# Altium PCB EPS.PcbDoc (part 7 of 10) (continued)
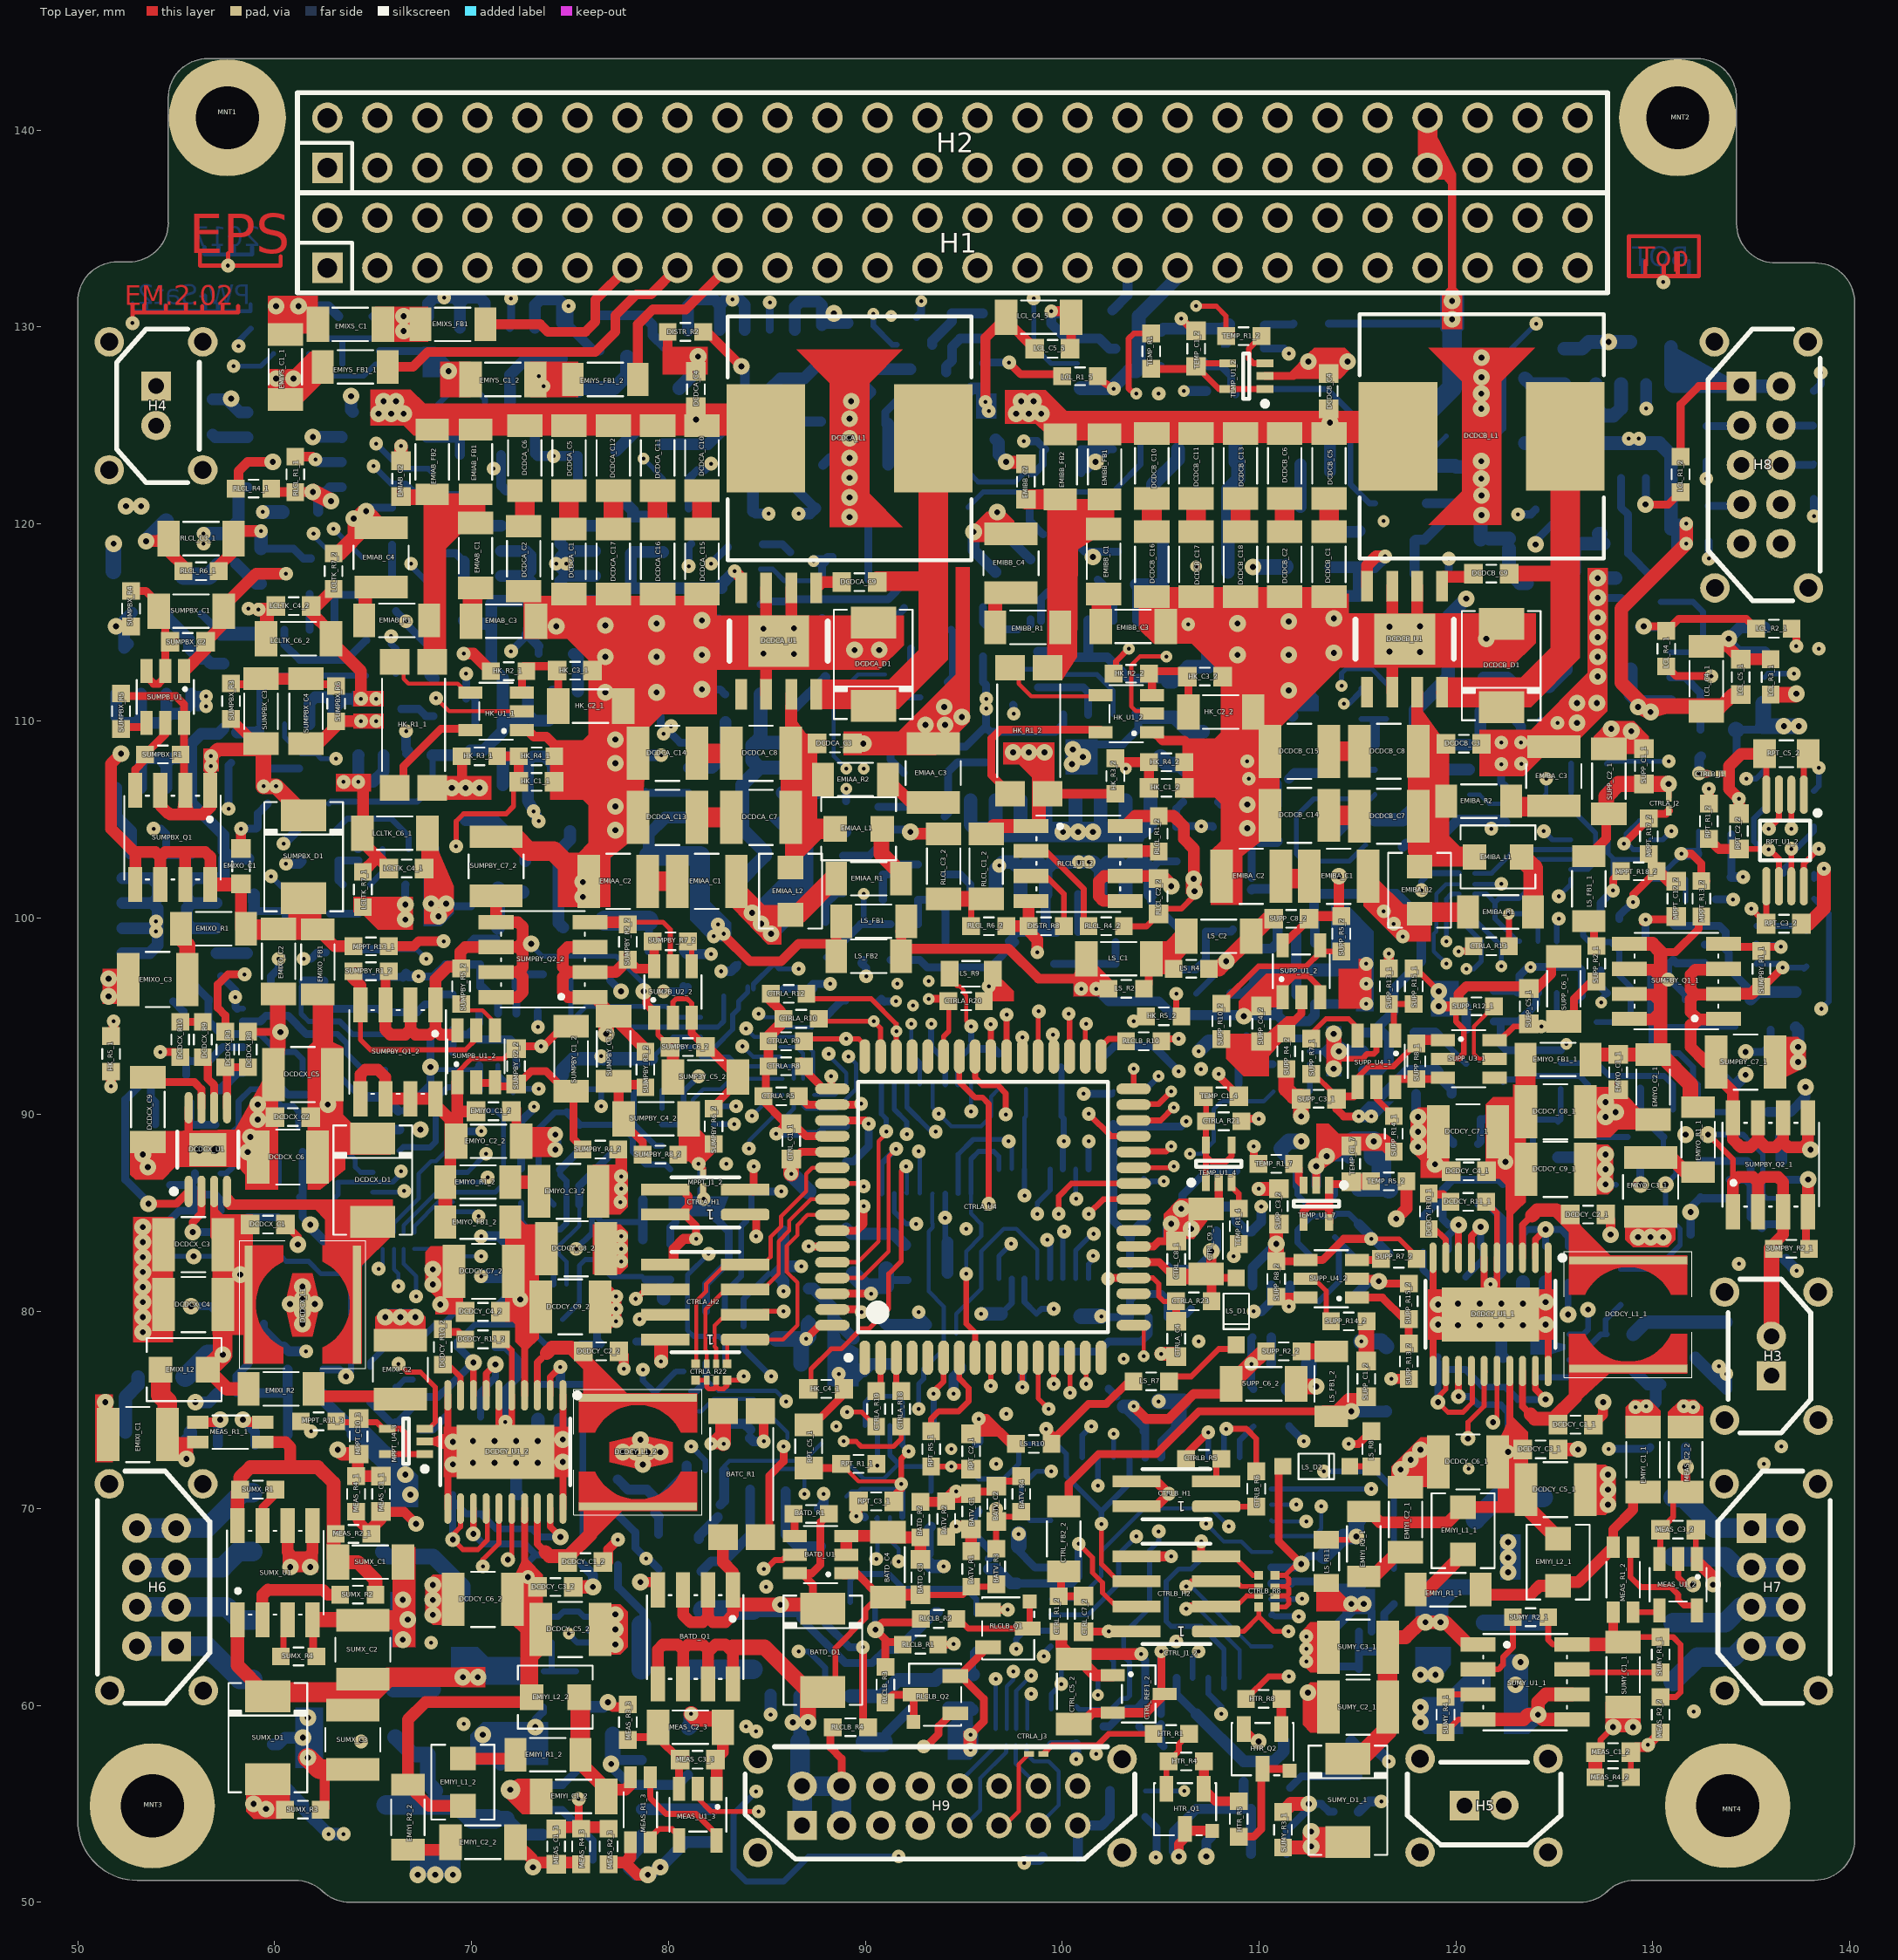
[diagram p0: Top Layer view]
## Nets (pads, with @x,y where several pads share a name; then routed paths per layer and width w, separated by ;. In a path a pad name is that pad's centre, name@x,y a point inside that pad or via, vN(x,y) a via of type N, cw(c..) or ccw(c..) an arc to the next point about the centre after c; other vN are vias at no path point) (continued)
  Top Layer w0.4: SUPP_C4_2.1@110.109,95.642 SUPP_U1_2.1@111.125,95.642
  Top Layer w0.5: LS_FB1.2@91.82,99.314 LS_FB2.2@91.82,98.044 92.201,98.425 97.282,98.425 98.806,96.901 101.219,96.901 LS_C1.1@101.473,97.155 ; LS_C1.1@101.474,97.917 101.474,97.535 102.351,96.658 LS_R2.1@102.351,96.393 LS_R2.1@102.351,96.266 ; v2(109.22,94.996) 109.739,95.515 110.07,95.629 SUPP_C4_2.1@110.109,95.642
  Top Layer w0.6: LS_FB1.2@91.82,99.314 LS_FB1.2@92.074,99.568
  Bottom Layer w0.5: v1(101.727,96.393) 102.362,95.758 104.902,95.758 105.603,95.057 110.937,95.057 ; SUPP_U1_1.3@110.937,96.099 110.937,95.057 ; SUPP_C4_1.1@114.046,95.62 112.837,95.62 112.837,95.057 112.522,94.742 111.252,94.742 110.937,95.057
  other v1: 100.965,96.393
NetLS_C1_2: LS_C1.2 LS_C2.1 LS_R2.2 LS_R4.1 | length 2.3
  Top Layer w0.4: LS_R2.2@104.394,96.636 LS_C1.2@104.394,97.536
  Top Layer w0.5: LS_R2.2@104.151,96.266 LS_R2.2@104.151,96.393 ; LS_C1.2@104.394,97.536 LS_C1.2@104.774,97.536
  Top Layer w0.8: LS_C1.2@104.774,97.536 LS_R4.1@105.653,97.536
NetLS_D1_K: LS_D1.K LS_R7.1 | length 4.2
  Top Layer w0.3: LS_R7.1@105.421,76.454 105.675,76.708 106.553,76.708 107.95,78.105 108.634,78.105 LS_D1.K@108.839,78.31
NetLS_D2_K: LS_D2.K LS_R8.2 | length 1.1
  Top Layer w0.3: LS_D2.K@114.603,72.136 115.686,72.136 LS_R8.2@115.697,72.125
NetLS_FB1_1_1: LS_FB1_1.1 SUPP_R2_1.2 | length 1.6
  Top Layer w0.4: LS_FB1_1.1@126.746,99.823 127,99.569 SUPP_R2_1.2@127,98.298
NetLS_FB1_2_1: LS_FB1_2.1 SUPP_R2_2.2 | length 1.3
  Top Layer w0.8: SUPP_R2_2.2@112.152,77.978 LS_FB1_2.1@113.411,77.977
NetMEAS_C2_1_1: MEAS_C2_1.1 MEAS_C3_1.1 MEAS_R3_1.2 MEAS_U1_1.3 | length 4.9
  Bottom Layer w0.5: MEAS_U1_1.3@59.012,75.861 MEAS_C3_1.1@60.577,75.861 ; MEAS_R3_1.2@60.657,77.051 60.657,75.941 MEAS_C3_1.1@60.577,75.861 ; MEAS_C2_1.1@60.669,73.749 60.669,75.769 MEAS_C3_1.1@60.657,75.781 MEAS_C3_1.1@60.577,75.861
NetMEAS_C2_2_1: MEAS_C2_2.1 MEAS_C3_2.1 MEAS_R3_2.2 MEAS_U1_2.3 | length 5.6
  Top Layer w0.3: MEAS_U1_2.3@130.33,67.693 130.38,67.743 MEAS_C3_2.1@130.38,68.923 130.38,69.177 130.645,69.177 131.026,69.558 MEAS_C2_2.1@131.026,70.574
  Top Layer w0.5: MEAS_C2_2.1@131.661,70.829 v2(131.661,72.098)
  Bottom Layer w0.5: v2(131.661,72.098) 131.661,73.103 MEAS_R3_2.2@131.672,73.114
NetMEAS_C2_3_1: MEAS_C2_3.1 MEAS_C3_3.1 MEAS_R3_3.2 MEAS_U1_3.3 | length 5.6
  Top Layer w0.4: MEAS_R3_3.2@77.94,58.117 78.205,58.382 79.21,58.382 MEAS_C2_3.1@79.465,58.637 ; MEAS_C2_3.1@79.465,59.144 MEAS_C2_3.1@79.465,58.89 MEAS_C2_3.1@79.465,58.637 ; MEAS_U1_3.3@80.546,55.755 80.546,57.2 MEAS_C3_3.1@80.585,57.239 79.465,58.359 MEAS_C2_3.1@79.465,58.637
NetMEAS_R1_1_1: MEAS_R1_1.1 MEAS_R2_1.1 SUMX_C1.1 SUMX_R1.1 SUMX_R2.1 SUMX_U1.8 | length 17.5
  Top Layer w0.6: MEAS_R1_1.1@59.397,73.376 59.405,73.368 60.541,73.368 60.795,73.114 60.795,72.098
  Top Layer w0.7: SUMX_U1.8@58.113,69.124 58.113,70.824 SUMX_R1.1@58.244,70.955 58.244,71.579 58.763,72.098 60.795,72.098 62.192,72.098 62.992,71.298 62.992,67.489 SUMX_C1.1@63.209,67.272 64.224,67.272 65.124,66.372 SUMX_R2.1@65.124,65.621
NetMEAS_R1_1_2: MEAS_R1_1.2 MEAS_U1_1.4 | length 2.6
  Top Layer w0.5: v2(58.382,74.511) 58.509,74.384 59.389,74.384 MEAS_R1_1.2@59.397,74.376
  Bottom Layer w0.5: v2(58.382,74.511) 59.012,73.881 MEAS_U1_1.4@59.012,73.241
NetMEAS_R1_1_3: MEAS_R1_1.3 MEAS_U1_1.5 | length 2.5
  Top Layer w0.5: MEAS_R1_1.3@56.097,74.376 57.104,74.376 v2(57.239,74.511)
  Bottom Layer w0.5: MEAS_U1_1.5@57.112,73.241 57.112,74.384 v2(57.239,74.511)
NetMEAS_R1_2_1: MEAS_R1_2.1 MEAS_R2_2.1 SUMY_C1_1.1 SUMY_R1_1.1 SUMY_R2_1.1 SUMY_U1_1.8 | length 13.3
  Top Layer w0.3: SUMY_R2_1.1@124.687,64.478 124.687,63.324 124.915,63.096 SUMY_U1_1.8@125.893,63.096 ; SUMY_C1_1.1@128.486,63.207 128.752,63.473 SUMY_R1_1.1@130.391,63.473 131.015,63.473 131.407,63.081 131.407,60.668 131.164,60.425 MEAS_R2_2.1@130.391,60.425
  Top Layer w0.5: SUMY_C1_1.1@127.986,63.462 MEAS_R1_2.1@127.986,64.733 MEAS_R1_2.1@127.986,64.987
  Top Layer w0.7: SUMY_U1_1.8@125.893,63.096 128.375,63.096 SUMY_C1_1.1@128.486,63.207
NetMEAS_R1_2_2: MEAS_R1_2.2 MEAS_U1_2.4 | length 1.5
  Top Layer w0.3: MEAS_R1_2.2@128.994,64.732 130.264,64.732 130.294,64.83 MEAS_U1_2.4@130.33,64.946
NetMEAS_R1_2_3: MEAS_R1_2.3 MEAS_U1_2.5 | length 5.9
  Top Layer w0.3: MEAS_R1_2.3@128.859,68.287 128.859,66.518 129.375,66.002 130.899,66.002 131.28,65.621 131.28,65.367 131.574,65.073 MEAS_U1_2.5@132.23,65.073
NetMEAS_R1_3_1: MEAS_R1_3.1 MEAS_R2_3.1 SUMY_C1_2.1 SUMY_R1_2.1 SUMY_R2_2.1 SUMY_U1_2.8 | length 10.2
  Top Layer w0.6: MEAS_R2_3.1@76.924,52.021 77.802,52.021 ; MEAS_R1_3.1@78.075,53.049 78.075,52.294 77.802,52.021 ; v2(78.956,51.397) 78.426,51.397 77.802,52.021
  Bottom Layer w0.6: SUMY_R2_2.1@77.951,51.778 78.332,51.397 v2(78.956,51.397) 79.083,51.397 79.464,51.778 v2(79.591,51.778) 80.862,53.049 SUMY_R1_2.1@82.296,53.049 ; SUMY_R2_2.1@77.951,52.159 78.649,52.857 SUMY_U1_2.8@78.649,53.414
NetMEAS_R1_3_2: MEAS_R1_3.2 MEAS_U1_3.4 | length 2.3
  Top Layer w0.3: MEAS_R1_3.2@79.075,53.049 79.075,53.294 79.502,53.721 80.188,53.721 80.546,53.363 MEAS_U1_3.4@80.546,53.135
NetMEAS_R1_3_3: MEAS_R1_3.3 MEAS_U1_3.5 | length 5.5
  Top Layer w0.3: MEAS_R1_3.3@79.075,56.349 79.075,55.291 79.883,54.483 81.407,54.483 82.446,53.444 MEAS_U1_3.5@82.446,53.135
NetMPPT_C1_1_1: MPPT_C1_1.1 MPPT_R1_1.1 MPPT_R2_1.2 MPPT_R3_1.2 MPPT_U1_1.6 | length 7.4
  Bottom Layer w0.254: MPPT_R1_1.1@61.543,96.71 61.341,96.509 61.341,95.123 61.73,94.734 MPPT_U1_1.6@62.432,94.734
  Bottom Layer w0.3: MPPT_U1_1.6@62.432,94.734 63.305,94.734 63.959,94.08 MPPT_R2_1.2@64.478,94.08 MPPT_C1_1.1@65.621,94.08
  Bottom Layer w0.5: MPPT_R1_1.1@61.479,96.774 MPPT_R3_1.2@62.473,96.774
NetMPPT_C1_1_2: MPPT_C1_1.2 MPPT_R2_1.1 MPPT_U1_1.3 MPPT_U1_1.7 | length 8.9
  Bottom Layer w0.3: MPPT_U1_1.7@62.41,94.106 63.171,94.106 63.675,93.602 63.675,93.083 MPPT_R2_1.1@64.478,92.28 MPPT_C1_1.2@65.621,92.28
  Bottom Layer w0.4: MPPT_U1_1.3@58.382,94.734 59.273,94.734 59.563,95.024 60.678,95.024 61.618,94.084 MPPT_U1_1.7@62.432,94.084 MPPT_U1_1.7@62.41,94.106
NetMPPT_C1_2_1: MPPT_C1_2.1 MPPT_R1_2.1 MPPT_R2_2.2 MPPT_R3_2.2 MPPT_U1_2.6 | length 6.8
  Bottom Layer w0.3: MPPT_U1_2.6@129.368,92.616 130.335,92.616 130.841,93.122 131.338,93.122 132.042,92.418 132.042,91.772 MPPT_R3_2.2@132.285,91.529 ; MPPT_R3_2.2@132.285,91.402 132.285,90.789 MPPT_R2_2.2@132.815,90.259 132.942,90.132 MPPT_R1_2.1@134.063,90.132
NetMPPT_C1_2_2: MPPT_C1_2.2 MPPT_R2_2.1 MPPT_U1_2.3 MPPT_U1_2.7 | length 7.4
  Bottom Layer w0.3: MPPT_U1_2.3@125.318,92.616 127.145,92.616 127.795,91.966 MPPT_U1_2.7@129.368,91.966 130.578,91.966 MPPT_C1_2.2@131.026,91.518 131.026,90.27 MPPT_R2_2.1@131.015,90.259
NetMPPT_C1_3_1: MPPT_C1_3.1 MPPT_R1_3.1 MPPT_R2_3.2 MPPT_R3_3.2 MPPT_U1_3.6 | length 8.6
  Bottom Layer w0.3: MPPT_R1_3.1@72.517,85.522 MPPT_R1_3.1@72.517,85.46 72.517,84.582 72.771,84.328 MPPT_R3_3.2@72.771,83.577 ; MPPT_R3_3.2@72.84,83.508 73.495,84.163 74.511,84.163 74.821,84.473 MPPT_U1_3.6@74.821,85.426 74.821,86.636 MPPT_R2_3.2@74.5,86.957 MPPT_R2_3.2@74.5,87.211
  Bottom Layer w0.4: MPPT_R2_3.2@74.5,87.211 MPPT_C1_3.1@75.389,88.1
NetMPPT_C1_3_2: MPPT_C1_3.2 MPPT_R2_3.1 MPPT_U1_3.3 MPPT_U1_3.7 | length 8.2
  Bottom Layer w0.208: MPPT_U1_3.3@74.821,81.376 74.821,82.532 74.422,82.931 74.422,83.312 75.471,84.361 MPPT_U1_3.7@75.471,85.426
  Bottom Layer w0.3: MPPT_R2_3.1@76.035,86.957 MPPT_R2_3.1@76.3,86.957 MPPT_R2_3.1@76.3,87.211
  Bottom Layer w0.4: MPPT_U1_3.7@75.471,85.426 75.471,86.393 MPPT_R2_3.1@76.035,86.957 ; MPPT_R2_3.1@76.3,87.211 MPPT_C1_3.2@77.189,88.1
NetMPPT_C2_1_1: MPPT_C2_1.1 MPPT_C4_1.1 MPPT_R8_1.1 MPPT_R9_1.2 MPPT_U1_1.2 | length 9.1
  Bottom Layer w0.3: MPPT_U1_1.2@58.382,94.084 59.256,94.084 60.16,93.18 61.049,93.18 61.419,92.81 MPPT_R8_1.1@61.419,92.037
  Bottom Layer w0.4: MPPT_R9_1.2@55.488,97.028 56.653,95.863 MPPT_C2_1.1@56.653,95.758 56.642,95.747 MPPT_C4_1.1@56.642,94.626 ; MPPT_C4_1.1@56.731,94.653 57.3,94.084 MPPT_U1_1.2@58.382,94.084
NetMPPT_C2_1_2: MPPT_C2_1.2 MPPT_R4_1.2 | length 1.3
  Bottom Layer w0.4: MPPT_C2_1.2@54.853,95.758 55.372,95.239 MPPT_R4_1.2@55.372,94.626
NetMPPT_C2_2_1: MPPT_C2_2.1 MPPT_C4_2.1 MPPT_R8_2.1 MPPT_R9_2.2 MPPT_U1_2.2 | length 9.2
  Bottom Layer w0.3: MPPT_R9_2.2@122.39,91.645 122.539,91.794 123.66,91.794 123.832,91.966 MPPT_U1_2.2@125.318,91.966 126.271,91.966 126.708,91.529 126.708,89.889 126.454,89.635 127.227,88.862 MPPT_R8_2.1@128.729,88.862
NetMPPT_C2_2_2: MPPT_C2_2.2 MPPT_R4_2.2 | length 1.3
  Bottom Layer w0.6: MPPT_R4_2.2@125.184,87.835 MPPT_C2_2.2@126.327,87.835 MPPT_C2_2.2@126.454,87.835
NetMPPT_C2_3_1: MPPT_C2_3.1 MPPT_C4_3.1 MPPT_R8_3.1 MPPT_R9_3.2 MPPT_U1_3.2 | length 9.2
  Bottom Layer w0.254: MPPT_C4_3.1@74.627,79.591 75.471,80.435 MPPT_U1_3.2@75.471,81.376 75.471,82.329 75.781,82.639 76.492,82.639 76.797,82.334 76.797,82.08 77.096,81.781 78.66,81.781 MPPT_R8_3.1@78.829,81.612
  Bottom Layer w0.4: MPPT_R8_3.1@78.829,81.612 MPPT_R9_3.2@80.099,81.612
  Bottom Layer w0.7: MPPT_C2_3.1@79.756,80.656 MPPT_R9_3.2@79.756,81.407
NetMPPT_C2_3_2: MPPT_C2_3.2 MPPT_R4_3.2 | length 1.1
  Bottom Layer w0.4: MPPT_R4_3.2@78.37,78.48 MPPT_C2_3.2@79.502,78.48
NetMPPT_C6_1_2: MPPT_C6_1.2 MPPT_R5_1.1 MPPT_R6_1.1 MPPT_R7_1.2 MPPT_U1_1.5 | length 7.1
  Bottom Layer w0.4: MPPT_U1_1.5@62.432,95.384 65.271,95.384 65.454,95.201 67.239,95.201 67.642,95.604 MPPT_R6_1.1@67.907,95.604 68.415,96.112 MPPT_R5_1.1@69.05,96.112
NetMPPT_C6_2_2: MPPT_C6_2.2 MPPT_R5_2.1 MPPT_R6_2.1 MPPT_R7_2.2 MPPT_U1_2.5 | length 8.5
  Bottom Layer w0.3: MPPT_U1_2.5@129.767,93.307 129.921,93.461 MPPT_R5_2.1@129.921,94.55 ; MPPT_R5_2.1@129.767,94.704 MPPT_R5_2.1@129.921,94.55 ; MPPT_R7_2.2@133.185,94.45 130.021,94.45 MPPT_R5_2.1@129.921,94.55 ; MPPT_R7_2.2@133.185,94.461 MPPT_R6_2.1@134.19,94.461
  Bottom Layer w0.4: MPPT_C6_2.2@129.629,97.398 129.921,97.106 MPPT_R5_2.1@129.921,94.858
NetMPPT_C6_3_2: MPPT_C6_3.2 MPPT_R5_3.1 MPPT_R6_3.1 MPPT_R7_3.2 MPPT_U1_3.5 | length 12.8
  Bottom Layer w0.3: MPPT_U1_3.5@74.171,85.426 74.171,85.452 73.406,86.217 73.406,89.281 74.246,90.121 MPPT_R7_3.2@74.852,90.121 ; MPPT_R5_3.1@75.487,89.486 MPPT_R5_3.1@75.781,89.486 77.519,89.486 78.194,88.811 78.194,88.1 78.829,87.465 79.856,87.465 MPPT_C6_3.2@80.099,87.222
  Bottom Layer w0.4: MPPT_R7_3.2@74.852,90.121 MPPT_R5_3.1@75.487,89.486
NetMPPT_C7_1_2: MPPT_C7_1.2 MPPT_R10_1.1 MPPT_U3_1.7 | length 18.7
  Signal 2 w0.4: v1(61.595,77.978) 63.881,80.264 63.881,82.042 68.658,86.819 v1(70.817,86.819)
  Bottom Layer w0.254: MPPT_U3_1.7@69.043,86.568 70.566,86.568 v1(70.817,86.819)
  Bottom Layer w0.4: MPPT_C7_1.2@59.447,79.375 59.447,79.121 MPPT_R10_1.1@60.463,78.105
  Bottom Layer w0.5: MPPT_R10_1.1@60.463,78.232 60.717,77.978 v1(61.595,77.978)
NetMPPT_C7_2_2: MPPT_C7_2.2 MPPT_R10_2.1 MPPT_U3_2.7 | length 6.9
  Bottom Layer w0.254: MPPT_U3_2.7@125.826,102.459 126.716,102.459 127.089,102.832 127.089,104.305 125.846,105.548 MPPT_C7_2.2@125.846,106.426
  Bottom Layer w0.3: MPPT_C7_2.2@125.846,106.426 MPPT_R10_2.1@125.846,107.823
NetMPPT_C7_3_2: MPPT_C7_3.2 MPPT_R10_3.1 MPPT_U3_3.7 | length 3.9
  Bottom Layer w0.208: MPPT_U3_3.7@85.68,94.442 MPPT_C7_3.2@87.277,94.442
  Bottom Layer w0.254: MPPT_C7_3.2@87.277,94.442 MPPT_C7_3.2@87.376,94.54 ; MPPT_C7_3.2@87.376,94.604 MPPT_C7_3.2@87.439,94.667
  Bottom Layer w0.3: MPPT_C7_3.2@87.376,94.731 MPPT_C7_3.2@87.746,94.731 ; MPPT_R10_3.1@88.773,95.758 MPPT_R10_3.1@89.016,95.758
  Bottom Layer w0.4: MPPT_C7_3.2@87.746,94.731 MPPT_R10_3.1@88.773,95.758
NetMPPT_C9_1_2: MPPT_C9_1.2 MPPT_R12_1.1 MPPT_U3_1.5 | length 4
  Bottom Layer w0.254: MPPT_C9_1.2@62.992,88.1 63.716,88.1 64.097,87.719 64.097,87.338 64.367,87.068 MPPT_U3_1.5@64.993,87.068
  Bottom Layer w0.3: MPPT_C9_1.2@62.992,88.1 62.992,89.143 MPPT_R12_1.1@63.219,89.37
NetMPPT_C9_2_2: MPPT_C9_2.2 MPPT_R12_2.1 MPPT_U3_2.5 | length 2.9
  Bottom Layer w0.254: MPPT_U3_2.5@129.876,101.959 131.661,101.959 MPPT_R12_2.1@131.661,100.838
NetMPPT_C9_3_2: MPPT_C9_3.2 MPPT_R12_3.1 MPPT_U3_3.5 | length 9.1
  Bottom Layer w0.254: MPPT_R12_3.1@75.046,96.901 75.046,94.764 MPPT_C9_3.2@75.057,94.753 ; MPPT_C9_3.2@75.184,94.869 75.819,95.504 79.883,95.504 80.445,94.942 MPPT_U3_3.5@81.63,94.942
NetMPPT_C10_1_1: MPPT_C10_1.1 MPPT_R11_1.2 MPPT_U4_1.1 MPPT_U4_1.4 MPPT_U4_1.5 | length 7
  Bottom Layer w0.4: MPPT_R11_1.2@54.572,84.301 54.572,84.544 55.146,85.118 MPPT_U4_1.5@55.954,85.118 55.954,86.188 ; MPPT_C10_1.1@54.699,86.438 55.704,86.438 ; MPPT_U4_1.1@55.954,87.018 55.954,86.688 55.704,86.438 ; MPPT_U4_1.4@57.254,85.118 57.254,85.672 56.985,85.941 56.201,85.941 55.954,86.188 ; 55.704,86.438 55.954,86.188
NetMPPT_C10_2_1: MPPT_C10_2.1 MPPT_R11_2.2 MPPT_U4_2.1 MPPT_U4_2.4 MPPT_U4_2.5 | length 9
  Bottom Layer w0.3: MPPT_C10_2.1@124.295,76.659 126.432,76.659 126.708,76.935 126.708,77.813 ; MPPT_U4_2.1@125.758,77.544 126.439,77.544 126.708,77.813 ; MPPT_U4_2.5@127.658,77.544 126.977,77.544 126.708,77.813 ; MPPT_R11_2.2@128.359,80.342 127.597,79.58 127.597,78.905 MPPT_U4_2.4@127.658,78.844 127.358,78.844 126.708,78.194 126.708,77.813
NetMPPT_C10_3_1: MPPT_C10_3.1 MPPT_R11_3.2 MPPT_U4_3.1 MPPT_U4_3.4 MPPT_U4_3.5 | length 7.2
  Top Layer w0.3: MPPT_R11_3.2@62.965,74.384 63.843,74.384 64.224,74.765 64.224,74.511 64.351,74.384 65.189,74.384 MPPT_U4_3.4@65.532,74.041 ; MPPT_U4_3.5@65.725,72.756 66.675,72.756 ; MPPT_U4_3.4@65.725,74.056 66.406,74.056 66.675,73.787 66.675,72.756 ; MPPT_U4_3.1@67.625,72.756 66.675,72.756
NetMPPT_C11_1_2: MPPT_C11_1.2 MPPT_R13_1.1 MPPT_R14_1.2 MPPT_U3_1.4 | length 19.8
  Top Layer w0.5: MPPT_R13_1.1@65.797,98.552 67.056,98.552 67.31,98.806 v1(68.58,98.806)
  Signal 1 w0.4: v1(66.421,87.122) 66.421,94.615 68.58,96.774 v1(68.58,98.806)
  Bottom Layer w0.254: MPPT_R14_1.2@63.092,85.814 MPPT_R14_1.2@63.13,85.852 63.219,85.941 63.219,86.568 MPPT_U3_1.4@64.993,86.568 65.994,86.568 66.421,86.995 v1(66.421,87.122)
NetMPPT_C11_2_2: MPPT_C11_2.2 MPPT_R13_2.1 MPPT_R14_2.2 MPPT_U3_2.4 | length 6.1
  Top Layer w0.4: v1(131.445,103.251) 131.953,103.251 132.461,102.743 132.461,102.119 MPPT_R13_2.1@132.715,101.865
  Bottom Layer w0.254: MPPT_U3_2.4@129.876,102.459 130.724,102.459 v1@131.516,103.251 ; MPPT_C11_2.2@132.323,103.251 MPPT_R14_2.2@132.323,104.394
  Bottom Layer w0.6: v1(131.445,103.251) 131.516,103.251 MPPT_C11_2.2@132.196,103.251
NetMPPT_C11_3_2: MPPT_C11_3.2 MPPT_R13_3.1 MPPT_R14_3.2 MPPT_U3_3.4 | length 6.1
  Bottom Layer w0.254: MPPT_R14_3.2@78.105,94.442 MPPT_U3_3.4@81.63,94.442 82.504,94.442 82.81,94.748 MPPT_R13_3.1@82.81,96.029
NetMPPT_C12_1_2: MPPT_C12_1.2 MPPT_R17_1.2 MPPT_R18_1.1 MPPT_U5_1.3 | length 3.4
  Bottom Layer w0.4: MPPT_U5_1.3@72.286,95.125 72.286,96.432 MPPT_C12_1.2@72.236,96.482 72.236,97.117 72.247,97.128 MPPT_R17_1.2@73.622,97.128
NetMPPT_C12_2_2: MPPT_C12_2.2 MPPT_R17_2.2 MPPT_R18_2.1 MPPT_U5_2.3 | length 4.4
  Top Layer w0.4: v1(128.994,100.8) 128.994,101.17 MPPT_R18_2.1@130.186,102.362 ; MPPT_R18_2.1@130.302,102.616 130.371,102.547 MPPT_R18_2.1@130.371,102.293
  Top Layer w0.6: MPPT_R18_2.1@130.371,102.293 MPPT_C12_2.2@130.964,101.7
  Bottom Layer w0.4: MPPT_U5_2.3@128.293,99.951 128.293,100.099 v1(128.994,100.8)
NetMPPT_C12_3_2: MPPT_C12_3.2 MPPT_R17_3.2 MPPT_R18_3.1 MPPT_U5_3.3 | length 22.7
  Signal 1 w0.3: v1(82.677,97.282) 82.677,92.329 82.423,92.075 82.423,89.281 82.886,88.818 83.632,88.818 83.842,89.027 84.455,89.027 85.217,88.265 85.217,86.614 v1(85.725,86.106)
  Bottom Layer w0.3: MPPT_U5_3.3@82.865,80.012 82.865,80.96 83.693,81.788 83.693,84.317 83.958,84.582 MPPT_C12_3.2@83.958,84.963 ; MPPT_R17_3.2@83.428,97.536 MPPT_R17_3.2@83.555,97.663 ; MPPT_C12_3.2@84.212,84.963 MPPT_R18_3.1@84.212,86.106
  Bottom Layer w0.4: MPPT_R18_3.1@84.466,86.106 v1(85.725,86.106)
  Bottom Layer w0.5: v1(82.677,97.282) 83.174,97.282 MPPT_R17_3.2@83.428,97.536
NetMPPT_R5_1_2: MPPT_R5_1.2 MPPT_R15_1.1 MPPT_U5_1.1 MPPT_U5_1.4 | length 7
  Bottom Layer w0.4: MPPT_R15_1.1@69.05,93.191 MPPT_R5_1.2@69.05,94.312 69.293,94.069 70.066,94.069 ; MPPT_U5_1.1@70.386,95.125 70.386,94.643 69.939,94.196 70.066,94.069 ; MPPT_U5_1.4@72.286,92.505 72.286,93.5 71.971,93.815 70.32,93.815 70.066,94.069
NetMPPT_R5_2_2: MPPT_R5_2.2 MPPT_R15_2.1 MPPT_U5_2.1 MPPT_U5_2.4 | length 8
  Bottom Layer w0.3: MPPT_U5_2.1@126.454,99.53 126.454,99.098 126.784,98.768 127.851,98.768 128.293,98.326 MPPT_U5_2.4@128.293,97.331 128.293,97.056 128.867,96.482 128.867,95.085 128.486,94.704 MPPT_R15_2.1@127.138,94.704
NetMPPT_R5_3_2: MPPT_R5_3.2 MPPT_R15_3.1 MPPT_U5_3.1 MPPT_U5_3.4 | length 20.7
  Signal 1 w0.254: v1(76.581,90.424) 78.74,88.265 78.74,84.582 80.391,82.931 v1(82.042,82.931)
  Bottom Layer w0.254: v1(82.042,82.931) 80.965,81.854 MPPT_U5_3.1@80.965,80.012 80.965,79.055 81.28,78.74 82.55,78.74 82.865,78.425 MPPT_U5_3.4@82.865,77.392
  Bottom Layer w0.3: MPPT_R5_3.2@75.781,91.286 MPPT_R15_3.1@76.681,91.286 ; v1(76.581,90.424) 76.581,91.186 MPPT_R15_3.1@76.681,91.286 ; MPPT_R15_3.1@76.962,91.567 MPPT_R15_3.1@76.797,91.402 ; MPPT_R15_3.1@77.04,91.402 MPPT_R15_3.1@76.797,91.402 ; MPPT_R15_3.1@76.681,91.286 MPPT_R15_3.1@76.797,91.402
NetMPPT_R12_1_2: MPPT_R12_1.2 MPPT_U4_1.3 | length 8.7
  Bottom Layer w0.3: MPPT_U4_1.3@57.254,87.018 57.554,87.018 57.858,87.322 57.858,89.1 58.166,89.408 58.166,90.678 58.779,91.291 59.509,91.291 60.362,90.438 60.946,90.438 61.203,90.181 MPPT_R12_1.2@61.203,89.408
NetMPPT_R12_2_2: MPPT_R12_2.2 MPPT_U4_2.3 | length 31.6
  Power w0.3: v4(126.708,80.099) 126.708,84.417 127.216,84.925 130.518,84.925 131.661,86.068 133.693,86.068 135.636,88.011 135.636,93.726 133.604,95.758 133.604,100.457 v1(134.074,100.927)
  Bottom Layer w0.3: MPPT_U4_2.3@125.758,78.844 126.469,78.844 126.708,79.083 v4(126.708,80.099)
  Bottom Layer w0.4: MPPT_R12_2.2@133.196,100.927 v1(134.074,100.927)
NetMPPT_R12_3_2: MPPT_R12_3.2 MPPT_U4_3.3 | length 31.8
  Top Layer w0.254: v1@66.167,77.343 v1(66.294,77.343) 66.713,76.924 67.402,76.924 68.161,76.165 68.161,74.384 MPPT_U4_3.3@67.818,74.041
  Signal 1 w0.4: v1(66.294,77.343) 67.945,77.343 69.85,79.248 72.771,79.248 73.787,80.264 73.787,84.201 75.565,85.979 75.565,94.234 v4(77.597,96.266)
  Bottom Layer w0.4: MPPT_R12_3.2@77.031,96.832 v4(77.597,96.266)
NetMPPT_R15_1_2: MPPT_R15_1.2 MPPT_U2_1.1 | length 5.3
  Bottom Layer w0.3: MPPT_U2_1.1@66.343,88.166 66.531,88.354 67.06,88.354 67.077,88.338 67.891,88.338 68.177,88.624 68.177,90.783 68.785,91.391 MPPT_R15_1.2@69.05,91.391
NetMPPT_R15_2_2: MPPT_R15_2.2 MPPT_U2_2.1 | length 1.3
  Bottom Layer w0.3: MPPT_R15_2.2@125.118,94.903 MPPT_U2_2.1@125.118,96.188
NetMPPT_R15_3_2: MPPT_R15_3.2 MPPT_U2_3.1 | length 4.2
  Bottom Layer w0.3: MPPT_R15_3.2@78.84,91.402 78.575,91.402 78.232,91.059 78.232,89.523 79.335,88.42 MPPT_U2_3.1@79.678,88.42
NetRBL_C1_2: RBL_C1.2 RBL_R1.2 RBL_R2.2 RBL_R4.1 | length 4.5
  Bottom Layer w0.4: RBL_R1.2@92.672,99.668 RBL_R4.1@92.672,100.8 ; RBL_R4.1@92.672,100.916 93.561,100.916 RBL_R2.2@94.069,100.408 RBL_R2.2@94.069,100.535 ; RBL_C1.2@94.07,98.768 RBL_R2.2@94.069,100.408
NetRBL_C3_2: RBL_C3.2 RBL_R6.2 RBL_R7.2 RBL_R9.1 | length 4.2
  Bottom Layer w0.4: RBL_R6.2@99.579,97.663 102.706,97.663 RBL_C3.2@102.706,98.768
NetRBL_Q1_G: RBL_Q1.G RBL_R2.1 | length 2
  Bottom Layer w0.4: RBL_R2.1@94.069,102.208 94.82,102.208 95.344,101.684 RBL_Q1.G@95.344,101.194
NetRBL_Q2_B: RBL_Q2.B RBL_R5.2 | length 2
  Bottom Layer w0.4: RBL_R5.2@87.973,99.795 87.973,100.673 88.547,101.247 RBL_Q2.B@88.869,101.247
NetRBL_Q2_C: RBL_Q2.C RBL_Q2.Shield RBL_R4.2 | length 3.3
  Bottom Layer w0.4: RBL_Q2.Shield@90.894,100.922 90.894,102.197 91.148,102.197 91.667,102.716 RBL_R4.2@92.672,102.716
NetRBL_Q3_G: RBL_Q3.G RBL_R7.1 | length 1.9
  Bottom Layer w0.4: RBL_R7.1@100.805,99.282 RBL_Q3.G@100.805,101.194
NetRBL_Q4_B: RBL_Q4.B RBL_R10.2 | length 0.9
  Bottom Layer w0.4: RBL_Q4.B@107.724,102.024 RBL_R10.2@107.724,102.959
NetRBL_Q4_C: RBL_Q4.C RBL_Q4.Shield RBL_R9.2 | length 5.9
  Bottom Layer w0.4: RBL_R9.2@104.494,97.205 104.66,97.371 106.769,97.371 107.299,97.901 RBL_Q4.Shield@107.299,99.303 108.574,99.303 RBL_Q4.C@108.674,99.403
NetRLCL_C1_1_2: RLCL_C1_1.2 RLCL_C3_1.1 RLCL_R6_1.2 | length 5.3
  Top Layer w0.6: v2(53.467,119.126) 54.102,119.126 RLCL_C3_1.1@54.737,119.761 ; RLCL_C3_1.1@54.611,119.253 54.611,118.617 55.361,117.867 RLCL_R6_1.2@55.361,117.602
  Bottom Layer w0.6: RLCL_C1_1.2@54.357,119.761 RLCL_C1_1.2@54.611,120.015
  Bottom Layer w0.8: v2(53.467,119.126) RLCL_C1_1.2@54.483,120.142
NetRLCL_C1_2_2: RLCL_C1_2.2 RLCL_C3_2.1 RLCL_R6_2.2 | length 2.8
  Top Layer w0.3: RLCL_R6_2.2@95.366,99.568 95.377,99.579 RLCL_C1_2.2@95.377,100.966
  Top Layer w0.8: RLCL_C3_2.1@93.98,100.966 RLCL_C1_2.2@95.377,100.966
NetRLCL_R1_1_1: RLCL_R1_1.1 RLCL_U1_1.7 | length 2.5
  Top Layer w0.5: RLCL_R1_1.1@61.049,123.417 61.927,123.417 v1(62.065,123.279)
  Bottom Layer w0.5: v1(62.065,123.279) 62.207,123.137 RLCL_U1_1.7@63.409,123.137
NetRLCL_R1_2_1: RLCL_R1_2.1 RLCL_U1_2.7 | length 1.7
  Top Layer w0.6: RLCL_U1_2.7@103.198,103.393 104.876,103.393 RLCL_R1_2.1@104.902,103.367
NetRLCL_R4_1_1: RLCL_R4_1.1 RLCL_U1_1.2 | length 4.3
  Top Layer w0.5: RLCL_R4_1.1@57.99,121.628 58.166,121.804 58.166,122.682 58.636,123.152 v2(59.906,123.152)
  Bottom Layer w0.5: RLCL_U1_1.2@58.629,123.137 58.644,123.152 v2(59.906,123.152)
NetRLCL_R4_2_1: RLCL_R4_2.1 RLCL_U1_2.2 | length 5.4
  Top Layer w0.3: RLCL_U1_2.2@98.418,103.393 99.172,103.393 101.092,101.473 RLCL_R4_2.1@101.092,99.568
NetRLCLB_C1_2: RLCLB_C1.2 RLCLB_C6.1 RLCLB_R11.1 | length 5.9
  Bottom Layer w0.4: RLCLB_R11.1@77.443,67.145 77.443,65.991 78.726,64.708 RLCLB_C1.2@78.726,64.097
  Bottom Layer w1: RLCLB_C6.1@78.623,61.811 RLCLB_C1.2@78.623,64.097
NetRLCLB_C2_2: RLCLB_C2.2 RLCLB_C7.1 RLCLB_R12.1 | length 4.3
  Bottom Layer w0.4: RLCLB_R12.1@83.39,60.414 RLCLB_C2.2@83.39,61.557
  Bottom Layer w1: RLCLB_C7.1@81.115,61.787 81.163,61.835 RLCLB_C2.2@84.036,61.835 RLCLB_C2.2@84.29,61.835
NetRLCLB_C3_2: RLCLB_C3.2 RLCLB_C4.2 RLCLB_R6.2 RLCLB_R8.1 RLCLB_U1.5 RLCLB_U1.6 | length 8
  Bottom Layer w0.3: RLCLB_R8.1@95.466,61.568 95.466,62.689 RLCLB_R6.2@95.631,62.854
  Bottom Layer w0.7: RLCLB_U1.6@89.228,60.467 RLCLB_U1.5@90.498,60.467 90.82,60.467 91.645,61.292 RLCLB_C4.2@91.91,61.292 93.549,61.292 RLCLB_C3.2@93.688,61.431 93.825,61.568 RLCLB_R8.1@95.466,61.568
NetRLCLB_C5_2: RLCLB_C5.2 RLCLB_C8.1 RLCLB_R13.1 | length 3.2
  Bottom Layer w0.5: RLCLB_C8.1@91.059,58.128 91.059,58.558 RLCLB_R13.1@92.407,59.906
  Bottom Layer w1: RLCLB_C5.2@90.004,58.128 RLCLB_C8.1@90.895,58.128
NetRLCLB_Q1_B: RLCLB_Q1.B RLCLB_R9.2 | length 26.5
  Top Layer w0.4: RLCLB_Q1.B@96.228,64.854 v1(97.239,64.854)
  Signal 1 w0.254: v1(97.239,64.854) 99.822,67.437 99.822,70.993 100.203,71.374 100.203,71.628 100.711,72.136 100.711,74.422 101.219,74.93 102.108,74.93 103.378,76.2 105.41,76.2 106.426,75.184 109.22,75.184 110.987,73.417 v1(112.268,73.417)
  Bottom Layer w0.4: RLCLB_R9.2@111.517,74.168 v1(112.268,73.417)
NetRLCLB_Q1_C: RLCLB_Q1.C RLCLB_Q1.Shield RLCLB_R2.2 | length 5.6
  Top Layer w0.3: RLCLB_R2.2@94.345,64.478 94.653,64.478 95.227,63.904 RLCLB_Q1.C@98.253,63.904 98.353,64.004 RLCLB_Q1.Shield@98.353,65.279
NetRLCLB_Q2_B: RLCLB_Q2.B RLCLB_R10.2 | length 58.9
  Top Layer w0.35: RLCLB_R10.2@105.04,93.853 v1(105.918,93.853)
  Top Layer w0.4: v1(92.964,57.912) 92.964,57.785 93.726,58.547 93.726,58.928 94.389,59.591 RLCLB_Q2.B@94.57,59.591 RLCLB_Q2.B@95.024,59.591
  Signal 2 w0.254: v1(92.964,57.912) 94.869,59.817 106.172,59.817 108.585,62.23 108.585,66.294 110.236,67.945 110.236,71.374 111.379,72.517 111.379,76.2 112.903,77.724 112.903,85.852 110.998,87.757 110.998,90.551 107.576,93.973 106.038,93.973 v1(105.918,93.853)
NetRLCLB_Q2_C: RLCLB_Q2.C RLCLB_Q2.Shield RLCLB_R3.2 | length 3.1
  Top Layer w0.4: RLCLB_R3.2@91.021,60.149 91.413,60.541 RLCLB_Q2.C@92.545,60.541 92.445,60.441 RLCLB_Q2.Shield@92.445,59.166
NetRLCLB_R1_1: RLCLB_R1.1 RLCLB_R2.1 RLCLB_R3.1 RLCLB_U1.4 | length 6.6
  Top Layer w0.4: RLCLB_R3.1@91.021,61.949 91.021,63.335 ; RLCLB_R1.1@91.772,63.208 91.148,63.208 91.021,63.335 ; RLCLB_R2.1@92.672,64.213 90.883,64.213 v2(90.513,63.843) 91.021,63.335
  Bottom Layer w0.3: RLCLB_U1.4@90.498,65.247 90.498,63.858 v2(90.513,63.843)
NetRLCLB_R4_1: RLCLB_R4.1 RLCLB_U1.2 | length 7.7
  Top Layer w0.4: v1(89.878,62.954) 89.878,59.144 90.005,59.017 RLCLB_R4.1@90.259,59.017
  Bottom Layer w0.4: RLCLB_U1.2@87.958,65.247 87.958,64.188 89.192,62.954 v1(89.878,62.954)
NetRLCLB_R6_1: RLCLB_R6.1 RLCLB_U1.3 | length 8.9
  Bottom Layer w0.3: RLCLB_U1.3@89.228,65.247 89.228,66.368 89.535,66.675 91.186,66.675 91.948,65.913 95.123,65.913 95.631,65.405 RLCLB_R6.1@95.631,64.654
NetRPT_C1_1_1: RPT_C1_1.1 RPT_R2_1.2 RPT_R3_1.1 RPT_U1_1.7 | length 8.4
  Bottom Layer w0.208: RPT_R2_1.2@89.027,72.401 89.927,71.501 90.932,71.501 91.694,72.263
  Bottom Layer w0.254: RPT_U1_1.7@91.249,74.207 91.249,72.707 91.694,72.263 91.832,72.125 RPT_R3_1.1@93.345,72.125 RPT_C1_1.1@93.345,70.877
NetRPT_C1_2_1: RPT_C1_2.1 RPT_R2_2.2 RPT_R3_2.1 RPT_U1_2.7 | length 6.4
  Top Layer w0.3: RPT_U1_2.7@137.033,101.6 v1(137.033,103.505)
  Bottom Layer w0.3: RPT_R3_2.1@136.387,100.965 RPT_C1_2.1@136.387,102.235 ; RPT_C1_2.1@136.641,102.235 136.641,102.478 137.033,102.87 v1(137.033,103.505) 137.287,103.505 138.176,104.394 RPT_R2_2.2@138.176,104.637
NetRPT_C2_1_1: RPT_C2_1.1 RPT_R1_1.2 RPT_R5_1.1 RPT_U1_1.6 | length 12.3
  Top Layer w0.254: RPT_R5_1.1@93.293,72.177 RPT_R5_1.1@93.345,72.125
  Top Layer w0.3: RPT_R5_1.1@93.345,72.125 v3(94.361,72.125) RPT_C2_1.1@95.377,72.125
  Signal 1 w0.254: v1(90.614,72.177) 90.614,72.962 91.364,73.711 93.407,73.711 93.738,74.041 94.742,74.041 95.25,73.533 95.25,72.517 94.858,72.125 v3(94.361,72.125)
  Bottom Layer w0.254: v1(90.614,72.177) RPT_U1_1.6@90.614,74.207
NetRPT_C2_2_1: RPT_C2_2.1 RPT_R1_2.2 RPT_R5_2.1 RPT_U1_2.6 | length 8.3
  Top Layer w0.3: RPT_C2_2.1@134.493,103.494 135.901,103.494 136.398,102.997 RPT_U1_2.6@136.398,101.6
  Top Layer w0.5: RPT_R1_2.2@132.842,104.002 133.35,103.494 RPT_C2_2.1@134.366,103.494
  Bottom Layer w0.3: RPT_R5_2.1@135.763,105.78 135.763,105.664 135.128,105.029 135.128,103.886 135.547,103.467 v1(135.874,103.467)
NetRPT_R4_1_1: RPT_R4_1.1 RPT_U1_1.2 | length 101.9
  Control Signals 1 w0.254: v1(91.694,67.31) 92.202,67.818 98.425,67.818 100.711,70.104 102.108,70.104 107.823,75.819 107.823,79.629 109.982,81.788 110.998,81.788 117.221,88.011 117.221,90.805 118.491,92.075 119.888,92.075 126.111,98.298 126.111,105.283 130.937,110.109 130.937,115.062 128.651,117.348 128.651,121.539 131.699,124.587 131.699,130.302 132.334,130.937 138.557,130.937 139.192,130.302 139.192,128.448 138.43,127.686 v1(138.532,127.686)
  Bottom Layer w0.208: RPT_U1_1.2@91.249,69.557 91.249,68.389 91.694,67.945 v1(91.694,67.31)
  Bottom Layer w0.4: RPT_R4_1.1@138.176,126.757 138.532,127.113 v1(138.532,127.686)
NetRPT_R4_2_1: RPT_R4_2.1 RPT_U1_2.2 | length 23.8
  Top Layer w0.3: v1(137.033,104.521) RPT_U1_2.2@137.033,106.25
  Signal 2 w0.208: v1(137.033,104.521) 137.033,106.553 132.08,111.506 132.08,114.046 133.35,115.316 134.62,115.316 138.176,118.872 v1(138.176,120.396)
  Bottom Layer w0.4: v1(138.176,120.396) RPT_R4_2.1@138.176,121.274
NetRPT_R6_1_1: RPT_R6_1.1 RPT_U1_1.3 | length 88.4
  Control Signals 1 w0.254: v1(90.551,67.437) 91.821,66.167 100.33,66.167 102.997,68.834 102.997,69.85 104.775,71.628 107.442,71.628 109.093,73.279 109.093,75.692 108.712,76.073 108.712,78.232 109.22,78.74 110.109,78.74 110.617,79.248 110.617,80.518 115.697,85.598 119.507,85.598 121.285,87.376 121.285,92.583 127,98.298 127,105.283 131.826,110.109 131.826,115.697 130.81,116.713 130.81,120.396 v1(132.715,122.301)
  Bottom Layer w0.208: v1(90.551,67.437) 90.614,67.501 RPT_U1_1.3@90.614,69.557 RPT_U1_1.3@90.551,69.494
  Bottom Layer w0.4: v1(132.715,122.301) RPT_R6_1.1@132.715,123.179
NetRPT_R6_2_1: RPT_R6_2.1 RPT_U1_2.3 | length 20.4
  Top Layer w0.3: v1(135.89,104.521) 136.398,105.029 RPT_U1_2.3@136.398,106.25
  Signal 2 w0.254: v1(132.842,118.237) 132.08,118.237 131.191,117.348 131.191,110.617 133.604,108.204 133.604,105.537 134.62,104.521 v1(135.89,104.521)
  Bottom Layer w0.4: v1(132.842,118.237) RPT_R6_2.1@132.842,119.115